# KiCad board Infernum breakout.kicad_pcb (continued)
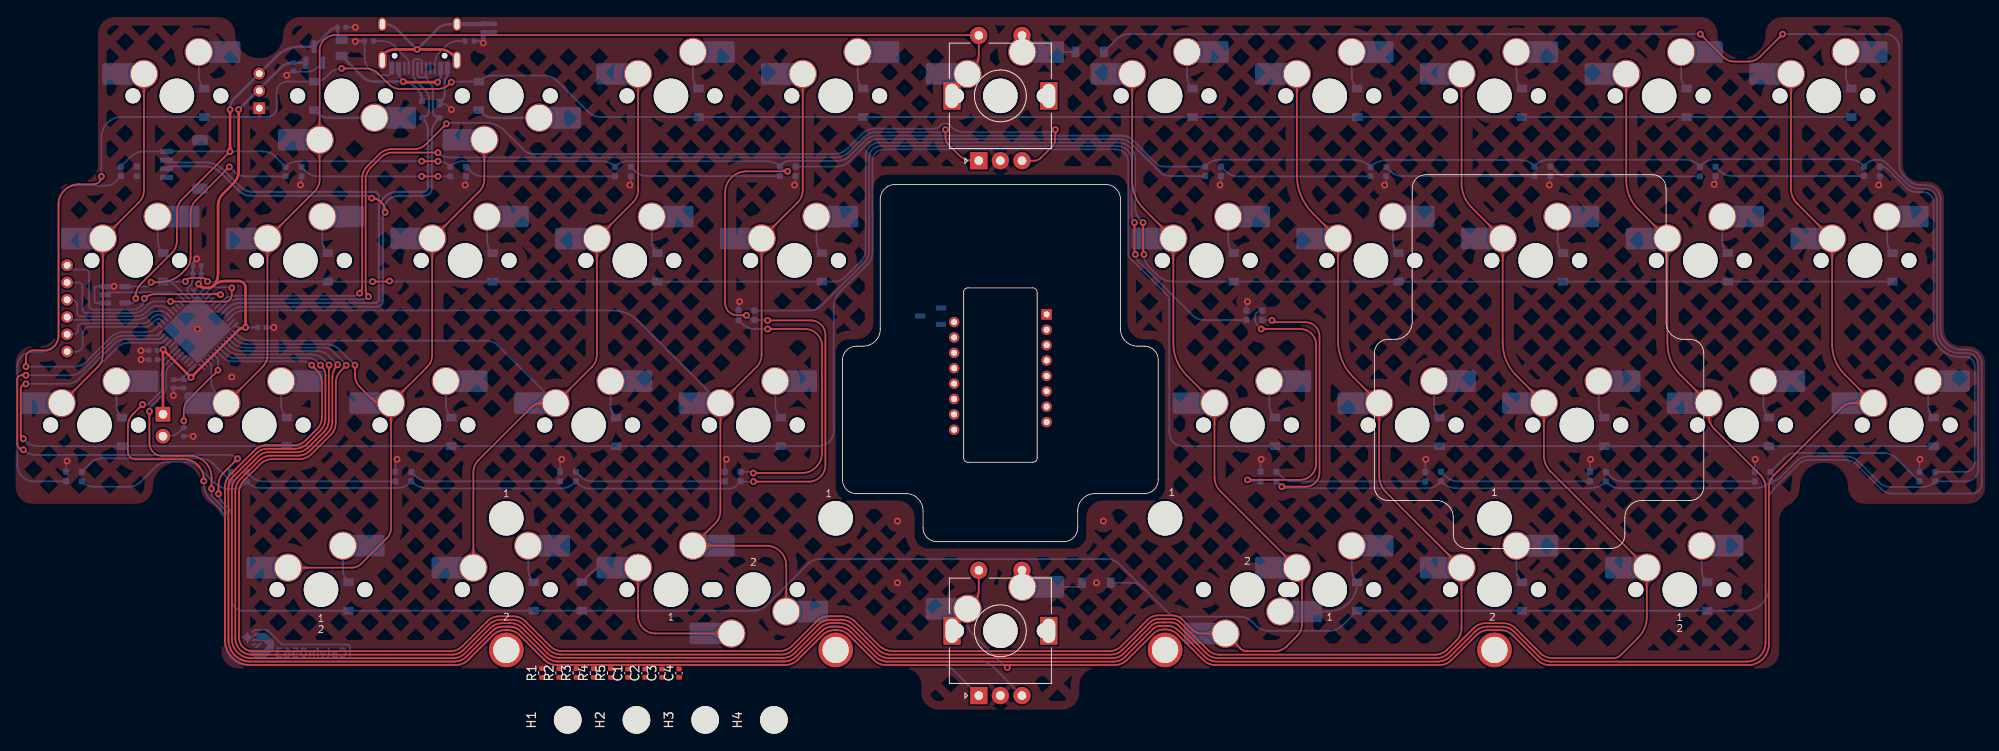
[diagram p0: board, top side]
## Routing (per net, layer and track width the routed paths; a pad name or vN(x,y) marks a point on that pad's centre or on a via; arc(x,y) is an arc through that point) (continued)
  Bottom w0.3: v1(-70.85,50.8) arc(-70.7,51.53) -70.29,52.15 J3.3 -65.51,56.93 arc(-64.22,57.79) -62.71,58.09 U3.3 -59.2,60 arc(-58.85,60.24) C_LDO1.1 -58.42,60.04 arc(-58.3,59.41) F1.2
GND: length 81
  Bottom w0.2: R_USB1.2 -55.28,56.79 arc(-55.15,56.13) -54.77,55.56 -54.54,55.33 arc(-53.91,54.91) -53.18,54.77 -52.7,54.77 arc(-52.31,54.93) -52.15,55.33 USB1.1 ; D56.2 100.99,42.57 arc(100.95,42.34) v1(100.82,42.15) ; v1(-89.69,10.12) -89.81,10 D52.2 ; v1(-11.91,28.58) -12.03,28.45 D49.2 ; v1(-51.53,10.32) -51.71,10.13 D53.2 ; D43.2 119.98,42.19 v1(119.86,42.07) ; v1(-75.12,12.97) -75.13,12.98 R6.2 ; v1(105.57,10.32) 105.51,10.26 D60.2 ; v1(-5.56,42.07) -5.44,42.19 D40.2 ; D45.2 46.71,28.45 v1(46.83,28.58) ; -85.22,30.34 v1(-84.26,30.34) ; v1(124.62,10.32) 124.56,10.26 D44.2 ; D48.2 48.36,10.26 v1(48.42,10.32) ; v1(81.76,42.07) 81.88,42.19 D42.2 ; D47.2 -62.58,42.19 v1(-62.71,42.07) ; -75.25,31.59 C19.2 arc(-75.18,31.68) -75.2,31.64 -75.2,30.95 arc(-75.24,30.74) -75.36,30.56 -75.76,30.16 arc(-75.82,30.07) -75.84,29.96 arc(-75.82,29.82) -75.74,29.71 U1.23 -75.2,29.17 arc(-74.76,28.52) -74.61,27.75 v1(-74.61,25.4) ; U5.3 -86.36,30.32 arc(-86.47,30.27) -86.52,30.16 -86.52,28.58 arc(-86.47,28.46) -86.36,28.42 U5.1 ; v1(43.66,42.07) 43.78,42.19 D41.2 ; v1(-13.43,10.32) -13.61,10.13 D54.2 ; U1.35 -70.84,25.99 arc(-71.49,25.55) -72.26,25.4 v1(-74.61,25.4) ; C_LDO1.2 v1(-56.36,60.33) ; v1(62.71,42.07) 62.89,42.25 62.89,43.07 ; D46.2 86.46,10.26 v1(86.52,10.32) ; U3.1 -60.63,55.75 arc(-61.28,55.32) -62.04,55.17 -63.42,55.17 C_LDO2.2 arc(-63.79,55.19) -64.04,55.02 v1(-64.29,54.77) ; v1(-74.61,25.4) -74.84,25.4 arc(-75.61,25.25) -76.26,24.81 U1.8 ; v1(-74.61,25.4) -74.61,23.05 arc(-74.46,22.28) -74.03,21.63 U1.47 ; v1(-45.24,50.8) -45.55,51.1 arc(-46.04,51.43) U4.1 -46.53,51.65 ; v1(-24.61,42.07) -24.48,42.19 D50.2 ; v1(67.47,10.32) 67.41,10.26 D59.2 ; D39.2 -43.53,42.19 v1(-43.66,42.07) ; D58.2 -32.66,10.13 v1(-32.48,10.32)
  Bottom w0.25: U4.1 -46.29,51.89 arc(-46.09,52.18) -46.02,52.53 -46.02,54.06 arc(-45.99,54.23) -45.9,54.37 arc(-45.75,54.59) -45.7,54.86 USB1.12
  Bottom w0.3: R_USB2.2 -41.78,58.74 v1(-41.55,58.51) ; C16.2 -76.21,18.58 C18.2 v1(-77.4,17.71) ; v1(-81.15,22.89) -81.15,22.9 C17.2 ; C19.2 -75.14,32.73 C21.2 -75.13,33.1 v1(-74.71,33.52) ; C22.2 v1(-81.15,21.86) ; v1(-56.36,58.69) -56.31,58.74 R_USB1.2 ; C20.2 -65.79,25.58 v1(-65.79,25.58)
  Bottom w0.5: C_Shield1.1 -40.26,59.73 R_Shield1.2 v1(-41.55,58.51)
  vias: v1(-70.64,19.84) v1(6.35,3.18) v1(6.35,-3.97) v1(29.37,-3.97) v1(30.16,3.18)
GNDREF: length 25.2
  Top w0.3: USB1.13 -53.24,57.09 -53.16,57.17 arc(-52.51,57.61) -51.74,57.76 -46.56,57.76 arc(-45.79,57.61) -45.14,57.17 -44.6,56.63 USB1.13
  Bottom w0.3: USB1.13 -45.46,60.68 arc(-46.22,60.53) -46.87,60.1 v1(-49.21,57.76) -51.55,60.1 arc(-52.2,60.53) -52.97,60.68 USB1.13
  Bottom w0.5: USB1.13 -41.62,60.68 R_Shield1.1 -41.52,60.72 C_Shield1.2
VCC: length 19.2
  Top w0.3: v1(-50.82,54.05) -50.74,53.98 v1(-46.83,53.98)
  Bottom w0.3: USB1.2 -51.37,55.39 arc(-51.23,54.66) v1(-50.82,54.05) ; USB1.11 -46.47,54.85 arc(-46.56,54.37) v1(-46.83,53.98) ; F1.1 -55.57,54.63 arc(-54.92,54.2) -54.16,54.05 v1(-50.82,54.05) ; v1(-50.82,54.05) arc(-50.14,53.91) -49.56,53.53 -49.21,53.18 arc(-48.78,52.53) -48.62,51.77 U4.4
/MCU & Power/A4: length 13.7
  Bottom w0.2: J1.1 -88.69,22.78 arc(-88.12,23.02) -87.88,23.6 -87.88,24.84 arc(-87.64,25.42) -87.06,25.66 -80.63,25.66 arc(-80.29,25.73) -80,25.92 -79.45,26.47 arc(-79.35,26.54) -79.24,26.56 -79.07,26.56 arc(-78.96,26.54) -78.87,26.48 U1.14
/MCU & Power/A5: length 12.7
  Bottom w0.2: J1.2 -88.9,24.78 arc(-88.6,24.91) -88.48,25.2 -88.48,25.42 arc(-88.29,25.87) -87.84,26.06 -80.91,26.06 arc(-80.53,26.13) -80.21,26.34 -79.75,26.81 arc(-79.46,27) -79.13,27.07 arc(-78.78,27) -78.49,26.8 U1.15
/MCU & Power/A6: length 12.3
  Bottom w0.2: -77.96,26.95 U1.16 -78.19,27.21 arc(-78.49,27.41) -78.84,27.48 -79.33,27.48 arc(-79.69,27.41) -79.99,27.21 arc(-80.82,26.65) -81.8,26.46 -88.91,26.46 arc(-89.34,26.54) J1.3
/MCU & Power/A7: length 14.7
  Bottom w0.2: -77.86,27.58 U1.17 arc(-77.58,27.3) -77.58,27.3 -77.92,27.65 arc(-78.4,27.97) -78.97,28.08 -79.36,28.08 arc(-79.78,28) -80.13,27.76 -80.75,27.14 -80.85,27.08 -81.11,26.98 -81.38,26.9 -81.62,26.87 -81.76,26.87 -81.77,26.86 -88.15,26.86 arc(-88.42,26.97) -88.53,27.23 -88.53,28.18 arc(-88.7,28.61) -89.13,28.78 J1.4
/MCU & Power/B13: length 27.3
  Top w0.2: v1(-70.64,30.16) -70.64,29.37 arc(-70.88,28.81) -71.44,28.58 -77.69,28.58 arc(-77.71,28.58) v1(-77.73,28.59)
  Bottom w0.2: v1(-77.73,28.59) -79.45,28.59 arc(-79.94,28.5) -80.35,28.22 -80.73,27.84 arc(-81.38,27.41) -82.14,27.26 -87.48,27.26 arc(-87.79,27.39) -87.92,27.7 -87.92,30.35 arc(-88.05,30.65) -88.35,30.78 J1.5 ; U1.26 -73.25,29.94 arc(-72.92,30.17) -72.52,30.24 -70.84,30.24 arc(-70.73,30.22) v1(-70.64,30.16)
/MCU & Power/B14: length 25.8
  Top w0.2: v1(-71.94,29.38) -72,29.43 -79.58,29.43 arc(-80.22,29.3) v1(-80.76,28.94)
  Bottom w0.2: U1.27 -73.06,29.43 arc(-72.94,29.51) -72.8,29.54 -72.33,29.54 arc(-72.12,29.49) v1(-71.94,29.38) ; -81.08,28.11 arc(-81.58,27.78) -82.18,27.66 -86.67,27.66 arc(-87.01,27.8) -87.15,28.14 -87.15,31.79 arc(-87.3,32.14) -87.65,32.29 -89.2,32.29 arc(-89.55,32.43) J1.6 ; v1(-80.76,28.94) arc(-80.85,28.47) -81.12,28.07 arc(-80.85,28.47) v1(-80.76,28.94)
BOOT0: length 12.9
  Top w0.2: v1(-72.23,20.64) -75.61,17.25 arc(-76.05,16.61) -76.2,15.84 v1(-76.2,14.77)
  Bottom w0.2: SW5.2 -78.03,13 arc(-77.27,13.15) -76.62,13.58 R6.1 v1(-76.2,14.77) ; U1.44 -72.39,22.11 arc(-72.27,21.94) -72.23,21.74 v1(-72.23,20.64)
Col 0: length 56.9
  Top w0.2: MX22.1 -86.15,21 arc(-85.72,21.65) -85.57,22.42 MX12.1 -81.39,40.05 arc(-80.96,40.7) -80.8,41.47 MX1.1
  Bottom w0.2: MX22.1 -83.93,23.23 arc(-83.28,23.66) -82.52,23.81 -78.78,23.81 arc(-78.68,23.83) -78.6,23.89 U1.10
Col 1: length 133
  Top w0.2: MX6.1 15.17,55.65 arc(15.6,56.3) 15.76,57.07 SW1.S2 15.73,59.42 -58.7,59.42 arc(-59.96,58.89) -60.48,57.63 MX2.2 -60.48,42.74 arc(-60.64,41.97) -61.07,41.32 MX13.1 -66.52,22.42 arc(-66.67,21.65) -67.1,21 MX23.1
  Bottom w0.2: MX23.1 -72.44,17.99 arc(-72.87,18.64) -73.02,19.4 -73.02,21.25 arc(-73.04,21.33) -73.09,21.4 U1.46
Col 2: length 86.2
  Top w0.2: MX24.1 -53.15,16.83 arc(-53.91,16.98) -54.56,17.41 -55.81,18.67 arc(-56.25,19.31) -56.4,20.08 v1(-56.4,21.22) ; MX24.1 -52.23,2.33 arc(-52.35,1.73) -52.69,1.22 -55.7,-1.79 arc(-56.18,-2.11) -56.74,-2.22 MX57.1 ; MX24.1 -48.05,21 arc(-47.62,21.65) -47.47,22.42 MX14.1 -42.02,41.32 arc(-41.59,41.97) -41.43,42.74 MX3.2
  Bottom w0.2: -70.59,24.55 -70.27,24.24 arc(-69.63,23.8) -68.86,23.65 -59.65,23.65 arc(-58.89,23.5) -58.24,23.07 v1(-56.4,21.22) ; -70.59,24.55 U1.38 ; -70.59,24.55 -70.26,24.22
Col 3: length 106.3
  Top w0.2: MX55.1 -42.7,8.78 arc(-42.55,9.57) -42.1,10.24 -35.99,16.35 arc(-35.46,16.7) -34.84,16.83 MX25.1 -29,21 arc(-28.57,21.65) -28.42,22.42 MX15.1 -24.24,40.05 arc(-23.81,40.7) -23.65,41.47 MX4.1
  Bottom w0.2: MX25.1 -39.82,23.47 arc(-40.47,23.9) -41.23,24.05 -68.51,24.05 arc(-69.24,24.2) -69.85,24.61 -70.1,24.86 arc(-70.16,24.9) U1.37
Col 4: length 138.4
  Top w0.2: MX59.1 -6.51,-1.98 arc(-7.18,-0.36) -8.81,0.32 MX60.2 -14.71,2.91 arc(-14.28,3.56) -14.13,4.32 MX26.1 -9.95,21 arc(-9.52,21.65) -9.37,22.42 MX16.1 -5.19,40.05 arc(-4.76,40.7) -4.6,41.47 MX5.1
  Bottom w0.2: U1.34 -70.94,26.63 -70.61,26.96 arc(-69.97,27.39) -69.2,27.54 -26.53,27.54 arc(-24.97,27.23) -23.65,26.35 MX26.1
Col 5: length 259.6
  Top w0.2: MX7.1 33.5,42.56 arc(33.85,40.79) 34.85,39.28 MX17.1 38.26,23.74 arc(38.65,21.75) 39.78,20.07 MX27.1 43.02,8.29 arc(43.2,7.38) 43.72,6.6 44.8,5.52 MX62.1 52.55,-2.23 arc(52.98,-2.88) 53.14,-3.64 53.14,-8.74 arc(52.98,-9.51) 52.55,-10.16 51.4,-11.31 arc(50.81,-11.72) 50.12,-11.89 46.77,-11.89 46.76,-11.89 arc(46.37,-11.82) 46.04,-11.6 MX61.2 41.48,-9.84 arc(40.96,-9.74) 40.52,-9.44 39.29,-8.22 arc(38.77,-7.87) 38.15,-7.74 36.54,-7.74 arc(35.84,-7.88) 35.25,-8.27 34.47,-9.06 34.47,-9.07 32.23,-11.31 arc(31.58,-11.74) 30.82,-11.89 5.93,-11.89 arc(4.95,-11.7) 4.12,-11.14 1.41,-8.43 arc(0.76,-8) -0.01,-7.85 -1.58,-7.85 arc(-2.35,-8) -2.99,-8.43 -5.85,-11.29 arc(-6.5,-11.72) -7.27,-11.88 -32.42,-11.88 arc(-33.19,-11.72) -33.84,-11.29 -36.69,-8.43 arc(-37.34,-8) -38.11,-7.85 -39.68,-7.85 arc(-40.45,-8) -41.09,-8.43 -43.97,-11.31 arc(-44.62,-11.74) -45.38,-11.89 ; v1(-57.4,21.21) -58.03,20.57 arc(-58.46,19.93) -58.61,19.16 -58.61,14.56 arc(-58.77,13.8) -59.2,13.15 -61.42,10.93 arc(-62.07,10.5) -62.83,10.34 -65.94,10.34 arc(-66.71,10.19) -67.35,9.76 -69.18,7.93 arc(-69.64,7.24) -69.81,6.42 -69.81,-10.31 arc(-69.34,-11.43) -68.22,-11.89 -45.26,-11.89
  Bottom w0.2: v1(-57.4,21.21) -57.4,21.27 -58.98,22.85 arc(-59.43,23.15) -59.96,23.25 -69.16,23.25 arc(-69.93,23.4) -70.57,23.84 U1.39
Col 6: length 277.8
  Top w0.2: MX8.1 52.55,43.24 arc(53.02,40.84) 54.39,38.8 MX18.1 57.31,24.07 arc(57.76,21.78) 59.06,19.84 MX28.1 62.07,8.4 arc(62.27,7.39) 62.85,6.53 MX56.1 71.6,-9.22 arc(71.44,-9.99) 71.01,-10.64 69.94,-11.71 arc(69.29,-12.14) 68.52,-12.29 43.63,-12.29 arc(42.87,-12.14) 42.22,-11.71 39.05,-8.54 arc(38.62,-8.25) 38.11,-8.15 37.31,-8.15 arc(37.31,-8.15) 37.3,-8.15 36.54,-8.15 arc(35.99,-8.26) 35.53,-8.57 32.4,-11.71 arc(31.75,-12.14) 30.98,-12.29 5.53,-12.29 arc(4.77,-12.14) 4.12,-11.71 1.24,-8.83 arc(0.59,-8.4) -0.17,-8.25 -1.42,-8.25 arc(-2.18,-8.4) -2.83,-8.83 -5.73,-11.73 arc(-6.33,-12.13) -7.04,-12.28 -32.59,-12.28 arc(-33.35,-12.12) -34,-11.69 -36.86,-8.83 arc(-37.51,-8.4) -38.27,-8.25 -39.52,-8.25 arc(-40.28,-8.4) -40.93,-8.83 -43.83,-11.73 arc(-44.45,-12.15) -45.18,-12.29 -68.35,-12.29 arc(-69.69,-11.74) -70.24,-10.41 -70.24,6.61 arc(-70.09,7.38) -69.65,8.03 -67.52,10.16 arc(-66.87,10.59) -66.11,10.74 -63,10.74 arc(-62.23,10.9) -61.59,11.33 -59.6,13.31 arc(-59.17,13.96) -59.01,14.73 -59.01,19.79 arc(-58.86,20.55) -58.43,21.2 -58.4,21.24 v1(-58.4,21.27)
  Bottom w0.2: v1(-58.4,21.27) -59.39,22.27 arc(-60.04,22.7) -60.8,22.85 -69.47,22.85 arc(-70.23,23) -70.88,23.44 U1.40
Col 7: length 302.7
  Top w0.2: MX9.1 71.6,42.28 arc(71.9,40.76) 72.75,39.48 MX19.1 76.36,23.79 arc(76.76,21.76) 77.91,20.04 MX29.1 81.12,10.76 arc(81.32,9.77) 81.88,8.92 MX58.1 93.03,-7.9 arc(92.77,-9.21) 92.02,-10.33 89.99,-12.36 arc(89.62,-12.61) 89.18,-12.69 82.12,-12.69 arc(81.36,-12.54) 80.71,-12.11 77.83,-9.23 arc(77.18,-8.8) 76.42,-8.65 74.39,-8.65 arc(73.63,-8.8) 72.98,-9.23 70.1,-12.11 arc(69.46,-12.54) 68.69,-12.69 43.46,-12.69 arc(42.7,-12.54) 42.05,-12.11 38.85,-8.91 arc(38.47,-8.65) 38.02,-8.56 37.13,-8.56 arc(37.13,-8.56) 37.13,-8.56 36.53,-8.56 36.27,-8.62 36.02,-8.72 35.82,-8.85 35.82,-8.85 32.52,-12.15 arc(31.92,-12.55) 31.21,-12.69 5.38,-12.69 5.37,-12.69 arc(4.6,-12.54) 3.94,-12.1 1.08,-9.23 arc(0.43,-8.8) -0.34,-8.65 -1.32,-8.65 arc(-2.02,-8.79) -2.61,-9.18 -5.51,-12.08 arc(-6.17,-12.52) -6.95,-12.68 -32.75,-12.68 arc(-33.52,-12.52) -34.17,-12.09 -37.02,-9.23 arc(-37.67,-8.8) -38.44,-8.65 -39.35,-8.65 arc(-40.11,-8.8) -40.76,-9.23 -43.64,-12.11 arc(-44.29,-12.54) -45.05,-12.69 -68.38,-12.69 arc(-69.98,-12.03) -70.64,-10.43 -70.64,6.81 arc(-70.49,7.55) -70.08,8.17 -67.59,10.66 arc(-67.05,11.02) -66.41,11.14 -63.17,11.14 arc(-62.4,11.3) -61.75,11.73 ; -61.74,11.74 -60,13.48 arc(-59.57,14.13) -59.41,14.89 -59.41,21.21 v1(-59.39,21.23)
  Bottom w0.2: U1.41 -71.19,23.04 arc(-70.54,22.6) -69.77,22.45 -61.44,22.45 arc(-60.68,22.3) -60.03,21.87 v1(-59.39,21.23)
Col 8: length 315.9
  Top w0.2: v1(-60.39,21.22) -60.25,21.07 arc(-59.93,20.59) -59.81,20.03 -59.81,15.06 arc(-59.97,14.3) -60.4,13.65 -61.92,12.13 arc(-62.57,11.7) -63.33,11.54 -66.58,11.54 arc(-67.21,11.42) -67.75,11.06 -70.44,8.36 -70.44,8.36 -70.64,8.16 -70.76,8 -70.87,7.82 -70.95,7.62 -71,7.42 -71.03,7.21 -71.04,6.94 -71.04,6.93 -71.04,-10.53 arc(-70.29,-12.34) -68.48,-13.09 -44.9,-13.09 -44.89,-13.09 arc(-44.12,-12.94) -43.46,-12.5 -40.61,-9.64 -40.6,-9.64 -40.4,-9.45 -40.24,-9.32 -40.06,-9.22 -39.86,-9.14 -39.66,-9.08 -39.45,-9.05 -39.18,-9.05 ; -39.18,-9.05 -38.61,-9.05 -38.61,-9.05 -38.34,-9.05 -38.13,-9.08 -37.92,-9.14 -37.73,-9.22 -37.55,-9.32 -37.38,-9.45 -37.19,-9.64 -37.18,-9.64 -34.34,-12.48 arc(-33.69,-12.92) -32.91,-13.07 -32.91,-13.08 -6.78,-13.08 -6.78,-13.07 arc(-6,-12.92) -5.34,-12.48 -2.39,-9.52 arc(-1.86,-9.17) -1.24,-9.05 -0.5,-9.05 arc(0.26,-9.2) 0.91,-9.63 3.79,-12.51 arc(4.43,-12.94) 5.2,-13.09 31.37,-13.09 arc(32.08,-12.95) 32.69,-12.55 35.98,-9.25 arc(36.3,-9.04) 36.67,-8.97 37.05,-8.97 37.37,-8.96 37.68,-8.96 arc(38.24,-9.07) 38.71,-9.39 38.95,-9.58 41.89,-12.51 arc(42.53,-12.94) 43.3,-13.09 68.86,-13.09 arc(69.62,-12.94) 70.27,-12.51 73.14,-9.63 arc(73.79,-9.2) 74.56,-9.05 76.25,-9.05 arc(77.02,-9.2) 77.67,-9.63 80.54,-12.51 arc(81.19,-12.94) 81.96,-13.09 104.57,-13.09 arc(106.12,-12.45) 106.76,-10.91 106.76,7.08 arc(106.6,7.85) 106.17,8.49 100.84,13.83 arc(100.34,14.57) 100.17,15.44 MX30.1 96.94,20.05 arc(95.81,21.76) 95.41,23.76 MX20.1 92.02,39.27 arc(91,40.79) 90.65,42.58 MX10.1
  Bottom w0.2: U1.42 -71.35,22.49 arc(-70.86,22.17) -70.29,22.05 -61.65,22.05 arc(-61.26,21.97) -60.93,21.75 v1(-60.39,21.22)
Col 9: length 335.3
  Top w0.2: 19.84,-13.49 19.35,-13.49 v1(19.05,-13.79) ; 19.84,-13.49 5.03,-13.49 arc(4.27,-13.34) 3.62,-12.91 0.74,-10.03 arc(0.1,-9.6) -0.67,-9.45 -0.92,-9.45 arc(-1.68,-9.6) -2.33,-10.03 -5.19,-12.89 arc(-5.84,-13.32) -6.6,-13.48 -33.08,-13.48 arc(-33.85,-13.32) -34.5,-12.89 -37.36,-10.03 arc(-38,-9.6) -38.77,-9.45 -39.02,-9.45 arc(-39.78,-9.6) -40.43,-10.03 -43.31,-12.91 arc(-43.96,-13.34) -44.72,-13.49 -68.5,-13.49 arc(-70.58,-12.63) -71.44,-10.56 -71.44,7.11 arc(-71.29,7.87) -70.85,8.52 -68.26,11.11 -68.26,11.12 -67.92,11.46 -67.66,11.65 -67.37,11.79 -67.06,11.9 -66.8,11.94 -66.79,11.94 -63.5,11.94 arc(-62.73,12.1) -62.08,12.53 -60.8,13.81 arc(-60.37,14.46) -60.21,15.23 -60.21,19.19 arc(-60.37,19.96) -60.8,20.61 v1(-61.41,21.22) ; 19.84,-13.49 31.48,-13.49 arc(32.24,-13.34) 32.89,-12.91 35.88,-9.92 arc(36.49,-9.51) 37.21,-9.37 37.31,-9.37 ; MX11.1 109.7,41.67 arc(109.89,40.72) 110.43,39.91 MX21.1 114.46,23.63 arc(114.83,21.75) 115.9,20.14 MX31.1 116.91,16.83 arc(116.14,16.68) 115.49,16.24 107.74,8.49 arc(107.31,7.84) 107.16,7.08 107.16,-11.08 arc(106.45,-12.79) 104.74,-13.49 81.79,-13.49 arc(81.03,-13.34) 80.38,-12.91 77.5,-10.03 arc(76.85,-9.6) 76.09,-9.45 74.72,-9.45 arc(73.96,-9.6) 73.31,-10.03 70.44,-12.91 arc(69.79,-13.34) 69.02,-13.49 43.13,-13.49 arc(42.37,-13.34) 41.72,-12.91 38.8,-9.99 arc(38.11,-9.53) 37.3,-9.37 ; SW2.S2 15.76,-4.85 arc(15.6,-5.61) 15.17,-6.26 MX35.1
  Bottom w0.2: v1(19.05,-13.79) 18.92,-13.79 15.03,-9.9 arc(14.6,-9.26) 14.45,-8.49 MX35.1 ; U1.43 -71.8,22.24 arc(-71.8,22.24) -71.79,22.23 -71.71,22.15 arc(-71.16,21.78) -70.51,21.65 -62.46,21.65 arc(-61.89,21.54) v1(-61.41,21.22)
D+: length 82.6
  Top w0.25: v1(-52.91,38.91) -52.91,38.99 arc(-53.36,40.09) v1(-54.46,40.55)
  Bottom w0.25: -53.18,38.11 -53.18,38.91 arc(-52.62,40.26) -51.26,40.83 -48.36,40.83 arc(-47.76,41.07) -47.51,41.67 -47.51,48.13 arc(-47.36,48.9) -46.93,49.55 U4.2 arc(-47.17,50.08) -47.4,50.62 -47.4,53.18 arc(-47.46,53.49) -47.63,53.75 -47.78,53.9 arc(-48.07,54.33) -48.17,54.84 USB1.8 -48.17,54.86 arc(-48.27,54.62) -48.51,54.52 -48.83,54.52 arc(-49.07,54.62) -49.17,54.86 USB1.6 ; -53.18,38.11 -53.18,38.24 arc(-53.11,38.6) v1(-52.91,38.91) ; -53.18,38.11 -53.18,28.62 arc(-53.23,28.38) -53.36,28.18 arc(-53.6,28.02) -53.87,27.97 -69.45,27.97 arc(-70.21,27.82) -70.86,27.38 U1.33 ; J2.3 arc(-78.12,44.15) -77.92,44.23 -73.77,44.23 arc(-72.74,44.03) -71.86,43.44 -69.83,41.41 arc(-69.18,40.98) -68.41,40.83 -55.13,40.83 arc(-54.77,40.75) v1(-54.46,40.55)
D-: length 81.9
  Bottom w0.25: USB1.7 -48.67,56.31 arc(-48.76,56.54) -48.99,56.63 -49.41,56.63 arc(-49.59,56.55) -49.67,56.36 USB1.5 -49.67,54.91 arc(-49.59,54.49) -49.35,54.14 -48.23,53.02 arc(-47.95,52.59) -47.85,52.09 -47.85,50.63 arc(-48.07,50.08) U4.3 -48.55,49.77 arc(-48.12,49.13) -47.96,48.36 -47.96,41.75 arc(-48.1,41.41) -48.44,41.28 -51.51,41.28 arc(-53.01,40.65) -53.63,39.15 -53.63,39.13 ; -53.63,39.13 -53.63,40.74 arc(-53.79,41.12) -54.16,41.28 -68.23,41.28 arc(-68.99,41.43) -69.64,41.86 -71.58,43.8 arc(-72.56,44.45) -73.72,44.68 -77.93,44.68 arc(-78.12,44.76) J2.2 ; -53.63,39.13 -53.63,28.87 arc(-53.67,28.68) -53.77,28.52 arc(-53.89,28.45) -54.02,28.42 -69.7,28.42 arc(-70.47,28.27) -71.12,27.83 U1.32
enc1A: length 107.3
  Top w0.2: v1(11.91,48.49) 11.91,47.56 arc(11.99,47.12) 12.24,46.75 13.47,45.53 arc(14.17,45.05) 15.01,44.89 SW1.A ; v1(-46.79,45.82) -52,45.82 arc(-52.77,45.67) -53.42,45.24 -54.58,44.08 arc(-55.01,43.43) -55.16,42.66 -55.16,29.94 arc(-55.08,29.51) v1(-54.83,29.14)
  Bottom w0.2: v1(-46.79,45.82) -46.7,45.73 -46.5,45.58 -46.28,45.45 -46.05,45.36 -45.8,45.29 -45.55,45.26 -45.42,45.26 -0.82,45.26 arc(0.02,45.42) 0.74,45.9 2.48,47.64 arc(3.08,48.05) 3.79,48.19 11.61,48.19 11.65,48.19 11.74,48.22 11.82,48.27 11.88,48.35 11.9,48.44 v1(11.91,48.49) ; U1.31 -71.4,28.26 arc(-70.75,28.69) -69.99,28.84 -55.56,28.84 arc(-55.17,28.92) v1(-54.83,29.14)
enc1B: length 122.5
  Top w0.2: SW1.B 22.15,44.89 arc(22.59,44.98) 22.96,45.22 24.23,46.49 arc(24.51,46.91) 24.61,47.4 v1(24.61,48.49) ; v1(-45.82,49.16) -48.17,46.81 arc(-48.82,46.37) -49.59,46.22 -52.17,46.22 arc(-52.93,46.07) -53.58,45.64 -54.98,44.24 arc(-55.41,43.59) -55.56,42.83 -55.56,30.27 arc(-55.64,29.88) v1(-55.86,29.54)
  Bottom w0.2: v1(24.61,48.49) 24.31,48.19 14.02,48.19 13.89,48.19 13.63,48.22 13.38,48.29 13.14,48.39 12.91,48.52 12.7,48.68 12.61,48.77 12.39,49 12.32,49.06 12.18,49.14 12.01,49.18 11.93,49.19 11.81,49.19 11.74,49.19 11.6,49.15 11.48,49.08 11.43,49.03 11.34,48.95 11.15,48.81 10.94,48.7 10.72,48.63 10.48,48.59 10.36,48.59 3.7,48.59 arc(2.92,48.43) 2.26,47.99 0.58,46.31 arc(-0.14,45.83) -0.99,45.66 -35.72,45.66 -35.85,45.66 -36.1,45.7 -36.34,45.78 -36.57,45.89 -36.78,46.04 -36.87,46.13 -39.11,48.37 -39.23,48.49 -39.5,48.7 -39.78,48.88 -40.09,49.03 -40.41,49.14 -40.74,49.22 -41.07,49.26 -41.24,49.26 -45.72,49.26 v1(-45.82,49.16) ; U1.30 -71.71,28.66 arc(-71.06,29.09) -70.29,29.24 -56.59,29.24 arc(-56.19,29.32) v1(-55.86,29.54)
enc2A: length 140.6
  Top w0.2: v1(-80.96,16.67) -82.08,15.55 arc(-82.51,14.9) -82.66,14.14 -82.66,11.23 arc(-82.4,10.58) -81.75,10.32 -78.55,10.32 -78.55,10.32 -76.19,10.32 arc(-74.56,9.64) -73.88,8.01 v1(-73.88,7.8)
  Bottom w0.2: U1.6 -78.19,21.47 arc(-78.62,20.83) -78.77,20.07 -78.77,18.45 arc(-78.81,18.24) -78.92,18.07 -78.92,18.07 -80.25,16.75 arc(-80.33,16.69) -80.43,16.67 v1(-80.96,16.67) ; v1(-73.88,7.8) -73.88,7.53 arc(-73.68,6.5) -73.1,5.63 -72.02,4.55 arc(-71.59,3.91) -71.44,3.14 -71.44,-11.07 arc(-70.73,-12.78) -69.01,-13.49 -44.72,-13.49 arc(-43.96,-13.34) -43.31,-12.91 -40.43,-10.03 arc(-39.78,-9.6) -39.02,-9.45 -38.77,-9.45 arc(-38,-9.6) -37.36,-10.03 -34.48,-12.91 arc(-33.83,-13.34) -33.07,-13.49 -6.62,-13.49 arc(-5.86,-13.34) -5.21,-12.91 -2.33,-10.03 arc(-1.68,-9.6) -0.92,-9.45 -0.67,-9.45 arc(0.1,-9.6) 0.74,-10.03 3.62,-12.91 arc(4.27,-13.34) 5.03,-13.49 11.4,-13.49 arc(12.16,-13.65) 12.81,-14.08 SW2.A
enc2B: length 141.4
  Top w0.2: v1(-80.17,15.88) -80.17,12.2 arc(-79.74,11.15) -78.69,10.72 -76.99,10.72 -76.99,10.72 -75.48,10.72 arc(-73.72,9.99) -72.99,8.23 v1(-72.99,6.91)
  Bottom w0.2: v1(-72.99,6.91) -72.99,6.34 arc(-72.94,6.1) -72.8,5.9 -71.65,4.75 arc(-71.2,4.07) -71.04,3.27 -71.04,-10.78 arc(-70.36,-12.42) -68.73,-13.09 -44.99,-13.09 arc(-44.13,-12.92) -43.4,-12.44 -40.7,-9.73 arc(-39.94,-9.23) -39.04,-9.05 -38.68,-9.05 arc(-37.84,-9.21) -37.13,-9.69 -34.27,-12.55 arc(-33.67,-12.95) -32.96,-13.09 -6.81,-13.09 arc(-6.02,-12.94) -5.36,-12.49 -2.52,-9.66 arc(-1.85,-9.21) -1.05,-9.05 -0.62,-9.05 arc(0.25,-9.22) 0.99,-9.71 3.79,-12.51 arc(4.43,-12.94) 5.2,-13.09 16,-13.09 arc(16.76,-13.25) 17.41,-13.68 SW2.B ; v1(-80.17,15.88) -80.17,15.97 arc(-80.12,16.24) -79.96,16.46 -78.52,17.91 arc(-78.33,18.19) -78.26,18.52 -78.26,20.24 arc(-78.18,20.65) -77.94,21.01 U1.5
NRST: length 2.6
  Bottom w0.2: U1.7 -78.51,21.86 C22.1
RGB: length 28.4
  Top w0.2: v1(-70.93,44.17) -74.82,40.27 arc(-75.25,39.62) -75.41,38.86 -75.41,33.7 arc(-75.56,32.94) -75.99,32.29 -76.37,31.92 arc(-77.59,31.1) -79.03,30.81 v1(-79.98,30.81)
  Bottom w0.2: D47.3 -69,43.07 arc(-69.77,43.23) -70.42,43.66 v1(-70.93,44.17) ; U5.4 -80.47,30.32 arc(-80.12,30.46) v1(-79.98,30.81)
RGBLED: length 9.6
  Bottom w0.2: U1.21 -76.74,29.29 arc(-77.12,29.55) -77.58,29.64 -85,29.64 arc(-85.2,29.56) U5.2
Row 0: length 260.3
  Top w0.2: v1(-45.24,53.98) -45.45,53.77 arc(-46.1,53.33) -46.87,53.18 -51.1,53.18 arc(-51.86,53.33) -52.51,53.77 -53.72,54.98 arc(-54.37,55.41) -55.13,55.56 v1(-57.94,55.56) ; v1(-94.46,21.05) -94.46,22.12 arc(-94.22,22.69) -93.65,22.92 -92.39,22.92 arc(-91.18,23.42) -90.68,24.63 -90.68,39.81 arc(-90,41.47) -88.34,42.15 -86.63,42.15 arc(-85.99,42.42) v1(-85.72,43.06)
  Bottom w0.2: v1(-94.46,21.05) -88.86,21.05 arc(-88.1,21.2) -87.45,21.63 -84.63,24.46 arc(-83.98,24.89) -83.21,25.04 -80.66,25.04 arc(-79.89,25.19) -79.25,25.63 U1.13 ; v1(-45.24,53.98) -45.18,54.04 D3.1 -41.96,54.15 arc(-41.31,54.58) -40.55,54.73 -34.44,54.73 arc(-33.68,54.58) -33.03,54.15 -29.41,50.53 arc(-28.76,50.1) -28,49.94 D4.1 D5.1 D7.1 D8.1 D9.1 97.53,49.94 ; v1(-85.72,43.06) -85.72,47.59 arc(-85.04,49.25) -83.37,49.94 D1.1 -66.54,49.94 arc(-65.77,50.26) -65.46,51.03 -65.46,52.83 arc(-65.1,53.68) -64.25,54.04 D2.1 -61.09,54.04 arc(-60.33,54.19) -59.68,54.62 -59.3,55 arc(-58.68,55.42) v1(-57.94,55.56) ; D10.1 D11.1
Row 1: length 230.5
  Top w0.2: v1(-73.45,30.91) -73.74,31.2 arc(-73.87,31.29) -74.03,31.32 -75.41,31.32 arc(-75.58,31.29) -75.72,31.19 v1(-76.01,30.9) ; v1(-54.36,30.89) -53.98,30.89 -53.97,30.89 -52.45,30.89 v1(-52.39,30.96) ; v1(34.86,34.03) 34.75,34.14 v1(34.75,37.73)
  Bottom w0.2: v1(-54.36,30.89) -54.36,30.89 D13.1 -73.43,30.89 v1(-73.45,30.91) ; v1(-52.39,30.96) -52.32,30.89 D14.1 D15.1 D16.1 -0.93,30.89 arc(-0.29,31.02) 0.25,31.38 2.15,33.28 arc(2.53,33.85) 2.67,34.53 2.67,45.4 arc(3.13,46.52) 4.25,46.99 31.89,46.99 32.03,46.99 32.31,46.95 32.58,46.87 32.83,46.75 33.07,46.6 33.28,46.41 33.46,46.2 33.62,45.97 33.73,45.71 33.81,45.44 33.85,45.16 33.85,45.02 33.85,39.44 33.86,39.31 33.89,39.05 33.96,38.8 34.06,38.56 34.19,38.33 34.35,38.12 34.44,38.03 34.74,37.73 v1(34.75,37.73) ; v1(-76.01,30.9) -76.02,30.89 -77.01,30.89 -77.01,30.89 D12.1 -78.46,30.89 arc(-77.69,30.74) -77.05,30.31 U1.22 ; v1(34.86,34.03) 34.86,34 arc(35.02,33.23) 35.45,32.58 36.4,31.64 arc(37.22,31.09) 38.19,30.89 D17.1 D18.1 D19.1 D20.1 D21.1
Row 2: length 306.5
  Top w0.2: v1(-94.75,12.7) arc(-94.97,12.79) -95.05,13 -95.05,18.45 arc(-94.88,18.87) v1(-94.46,19.05)
  Bottom w0.2: U1.11 -78.84,24.35 arc(-78.96,24.27) -79.11,24.24 -82.88,24.24 arc(-83.64,24.09) -84.29,23.66 -88.31,19.64 arc(-88.96,19.2) -89.73,19.05 v1(-94.46,19.05) ; v1(-94.75,12.7) -94.48,12.43 arc(-93.83,12) -93.07,11.84 D22.1 D23.1 D24.1 D25.1 D26.1 -2.79,11.84 arc(-1.54,12.36) -1.02,13.62 -1.02,27.97 arc(-0.84,28.9) -0.31,29.69 2.89,32.89 arc(3.32,33.54) 3.47,34.3 3.47,38.89 3.47,38.9 3.47,44.9 arc(3.84,45.81) 4.75,46.19 31.61,46.19 arc(32.63,45.76) 33.05,44.74 33.05,33.98 arc(33.08,33.84) 33.16,33.71 37.54,29.34 arc(37.73,29.06) 37.79,28.74 37.79,13.4 arc(38.25,12.3) 39.35,11.84 D27.1 D28.1 D29.1 D30.1 D31.1
Row 3: length 452
  Top w0.2: v1(99.22,59.53) 101.83,56.92 arc(102.45,56.5) 103.19,56.36 104.89,56.36 ; v1(-94.46,20.05) -94.96,20.05 arc(-95.31,19.9) -95.45,19.55 -95.45,12.12 arc(-95.25,11.62) v1(-94.75,11.42) ; v1(-72.18,6.31) -72.18,7.35 arc(-72.03,8.12) -71.6,8.77 v1(-69.97,10.39) ; v1(108.74,59.53) 106.15,56.94 arc(105.51,56.51) 104.74,56.36
  Bottom w0.2: v1(99.22,59.53) 33.09,59.53 arc(32.33,59.38) 31.68,58.95 D6.1 ; v1(-94.75,11.42) -94.75,11.41 arc(-94.1,10.98) -93.33,10.82 -71.02,10.82 arc(-70.46,10.71) v1(-69.97,10.39) ; 34.95,-4.74 32.02,-1.81 arc(31.37,-1.38) 30.6,-1.22 -2.61,-1.22 arc(-3.37,-1.38) -4.02,-1.81 -8.83,-6.62 arc(-9.48,-7.05) -10.24,-7.21 D34.1 D33.1 D32.1 -69.41,-7.21 arc(-70.28,-6.85) -70.64,-5.98 -70.64,3.57 arc(-70.77,4.24) -71.15,4.81 -71.85,5.51 arc(-72.1,5.88) v1(-72.18,6.31) ; 34.95,-4.74 34.76,-4.55 arc(34.11,-4.12) 33.35,-3.97 D35.1 ; 34.95,-4.74 37.51,-7.31 arc(38.16,-7.74) 38.93,-7.89 45.96,-7.89 arc(46.72,-8.04) 47.37,-8.48 47.83,-8.94 arc(48.48,-9.37) 49.25,-9.53 56.38,-9.53 arc(57.15,-9.37) 57.8,-8.94 D36.1 D37.1 D38.1 104.38,-7.21 arc(106.34,-6.39) 107.16,-4.43 107.16,5.52 arc(107.31,6.29) 107.74,6.94 110.47,9.67 arc(111.12,10.1) 111.89,10.25 115.92,10.25 arc(116.69,10.1) 117.33,9.67 120.06,6.94 arc(120.71,6.5) 121.48,6.35 130.61,6.35 arc(131.42,6.69) 131.76,7.51 131.76,21.41 arc(131.29,22.55) 130.15,23.02 129.42,23.02 arc(127.71,23.73) 127,25.43 127,40.4 arc(126.51,41.58) 125.33,42.07 124.65,42.07 arc(123.89,42.22) 123.25,42.65 122.82,43.08 arc(122.39,43.73) 122.24,44.48 122.24,57.92 arc(121.77,59.06) 120.62,59.53 v1(108.74,59.53) ; v1(-94.46,20.05) -89.29,20.05 arc(-88.53,20.2) -87.88,20.64 -84.46,24.06 arc(-83.81,24.49) -83.05,24.64 -79.41,24.64 arc(-79.27,24.67) -79.15,24.75 U1.12
Net-(D1-A): length 4.4
  Bottom w0.2: MX1.2 -74.45,54.71 arc(-74.3,53.94) -73.87,53.29 D1.2
Net-(D2-A): length 7.3
  Bottom w0.3: -61.12,50.74 -60.81,50.43 arc(-60.17,50) -59.4,49.85 MX2.1
Net-(D3-A): length 7.3
  Bottom w0.3: -42.07,50.74 -41.76,50.43 arc(-41.12,50) -40.35,49.85 MX3.1
Net-(D4-A): length 4.4
  Bottom w0.2: D4.2 -16.72,53.29 arc(-17.15,53.94) -17.3,54.71 MX4.2
Net-(D5-A): length 4.4
  Bottom w0.2: MX5.2 1.75,54.71 arc(1.9,53.94) 2.33,53.29 D5.2
Net-(D6-A): length 8.1
  Bottom w0.2: D6.2 26.9,57.47 MX6.2 20.76,57.51 SW1.S1
Net-(D7-A): length 4.4
  Bottom w0.2: D7.2 40.43,53.29 arc(40,53.94) 39.85,54.71 MX7.2
Net-(D8-A): length 4.4
  Bottom w0.2: MX8.2 58.9,54.71 arc(59.05,53.94) 59.48,53.29 D8.2
Net-(D9-A): length 4.4
  Bottom w0.2: MX9.2 77.95,54.71 arc(78.1,53.94) 78.53,53.29 D9.2
Net-(D10-A): length 4.4
  Bottom w0.2: MX10.2 97,54.71 arc(97.15,53.94) 97.58,53.29 D10.2
Net-(D11-A): length 4.4
  Bottom w0.2: D11.2 116.63,53.29 arc(116.2,53.94) 116.05,54.71 MX11.2
Net-(D12-A): length 4.4
  Bottom w0.2: D12.2 -78.63,34.24 arc(-79.06,34.89) -79.22,35.66 MX12.2
Net-(D13-A): length 4.4
  Bottom w0.2: MX13.2 -60.17,35.66 arc(-60.01,34.89) -59.58,34.24 D13.2
Net-(D14-A): length 4.4
  Bottom w0.2: D14.2 -40.53,34.24 arc(-40.96,34.89) -41.12,35.66 MX14.2
Net-(D15-A): length 4.4
  Bottom w0.2: D15.2 -21.48,34.24 arc(-21.91,34.89) -22.07,35.66 MX15.2
Net-(D16-A): length 4.4
  Bottom w0.2: D16.2 -2.43,34.24 arc(-2.86,34.89) -3.02,35.66 MX16.2
Net-(D17-A): length 4.4
  Bottom w0.2: D17.2 45.19,34.24 arc(44.76,34.89) 44.61,35.66 MX17.2
Net-(D18-A): length 4.4
  Bottom w0.2: D18.2 64.24,34.24 arc(63.81,34.89) 63.66,35.66 MX18.2
Net-(D19-A): length 4.4
  Bottom w0.2: MX19.2 82.71,35.66 arc(82.86,34.89) 83.29,34.24 D19.2
Net-(D20-A): length 4.4
  Bottom w0.2: MX20.2 101.76,35.66 arc(101.91,34.89) 102.34,34.24 D20.2
Net-(D21-A): length 4.4
  Bottom w0.2: D21.2 121.39,34.24 arc(120.96,34.89) 120.81,35.66 MX21.2
Net-(D22-A): length 4.4
  Bottom w0.2: MX22.2 -83.98,16.61 arc(-83.83,15.84) -83.39,15.19 D22.2
Net-(D23-A): length 4.4
  Bottom w0.2: MX23.2 -64.93,16.61 arc(-64.78,15.84) -64.34,15.19 D23.2
